# Altium PCB STM32F407ZGT6_MinBoardBTB.PcbDoc
Units mil, origin at the board's own origin, x right, y up, seen from the top; angles counter-clockwise.
Board outline 1930 x 1270 mil, 2 copper layers (Top Layer, Bottom Layer); 26 components, 121 nets, 312 pads, 299 vias.
Unrouted connection lines stored in the file: 1.
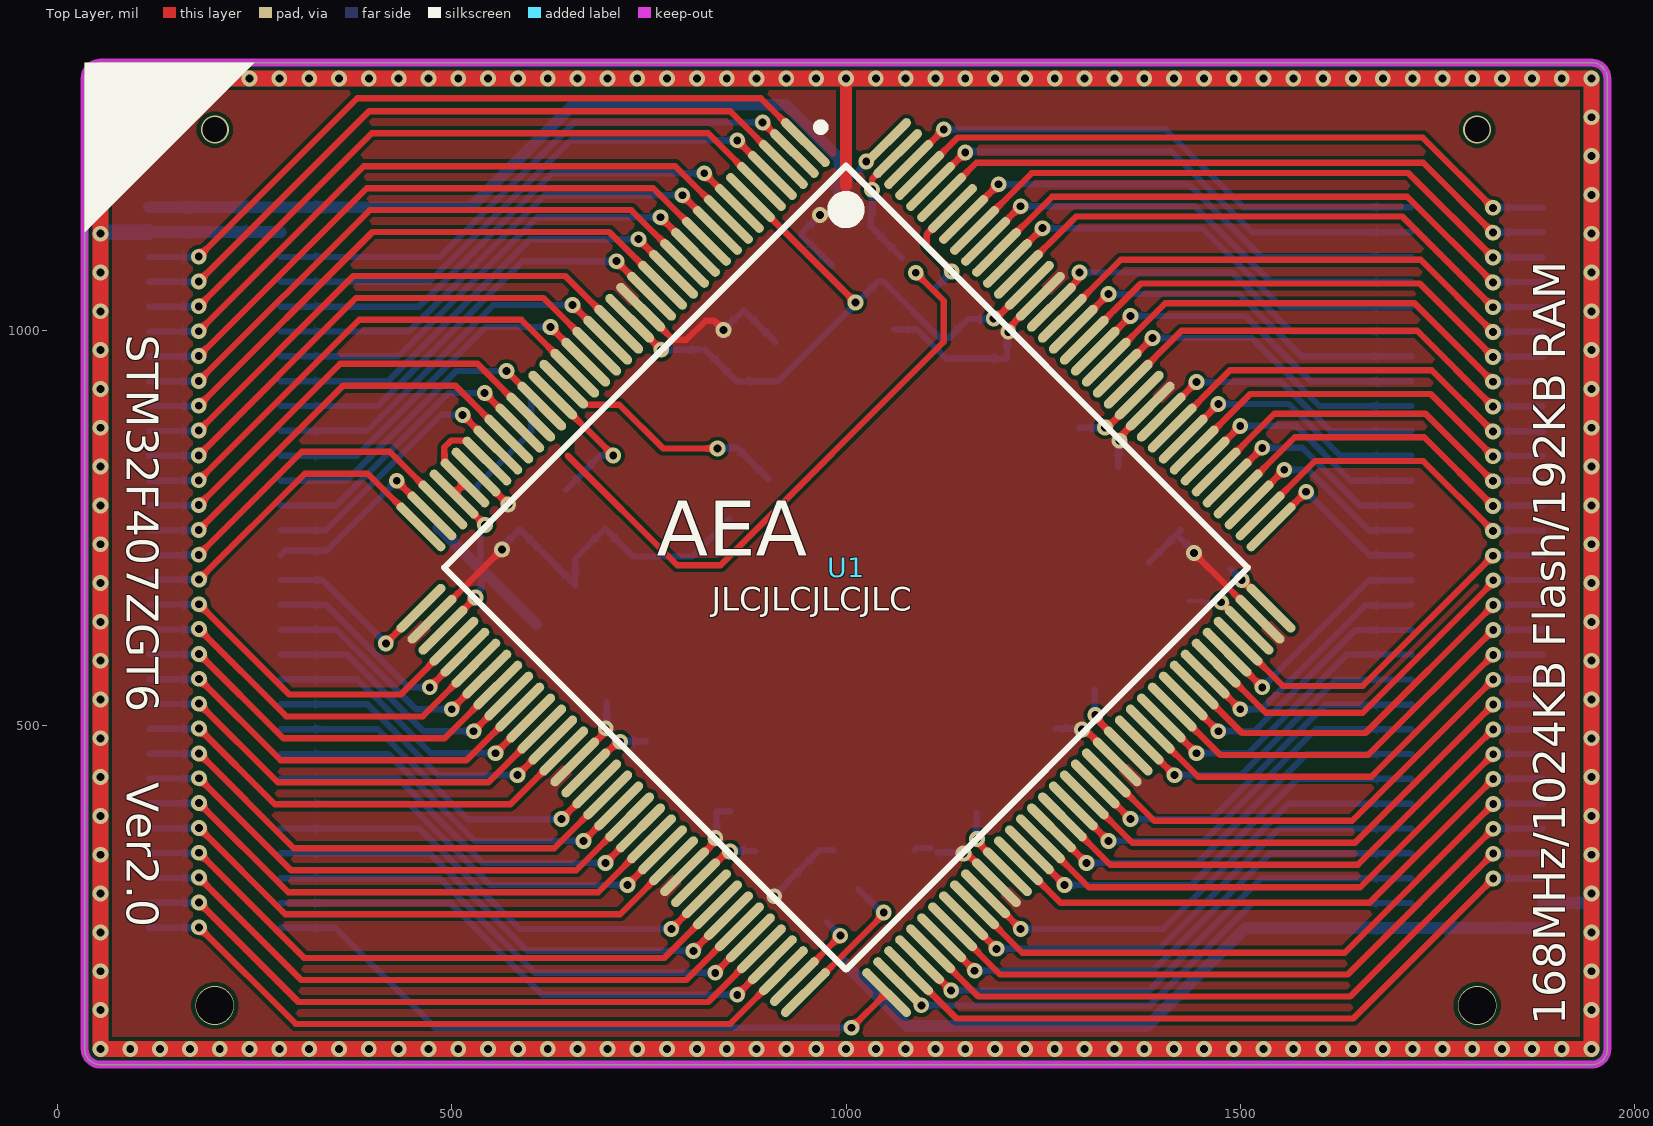
[diagram p0: Top Layer view]
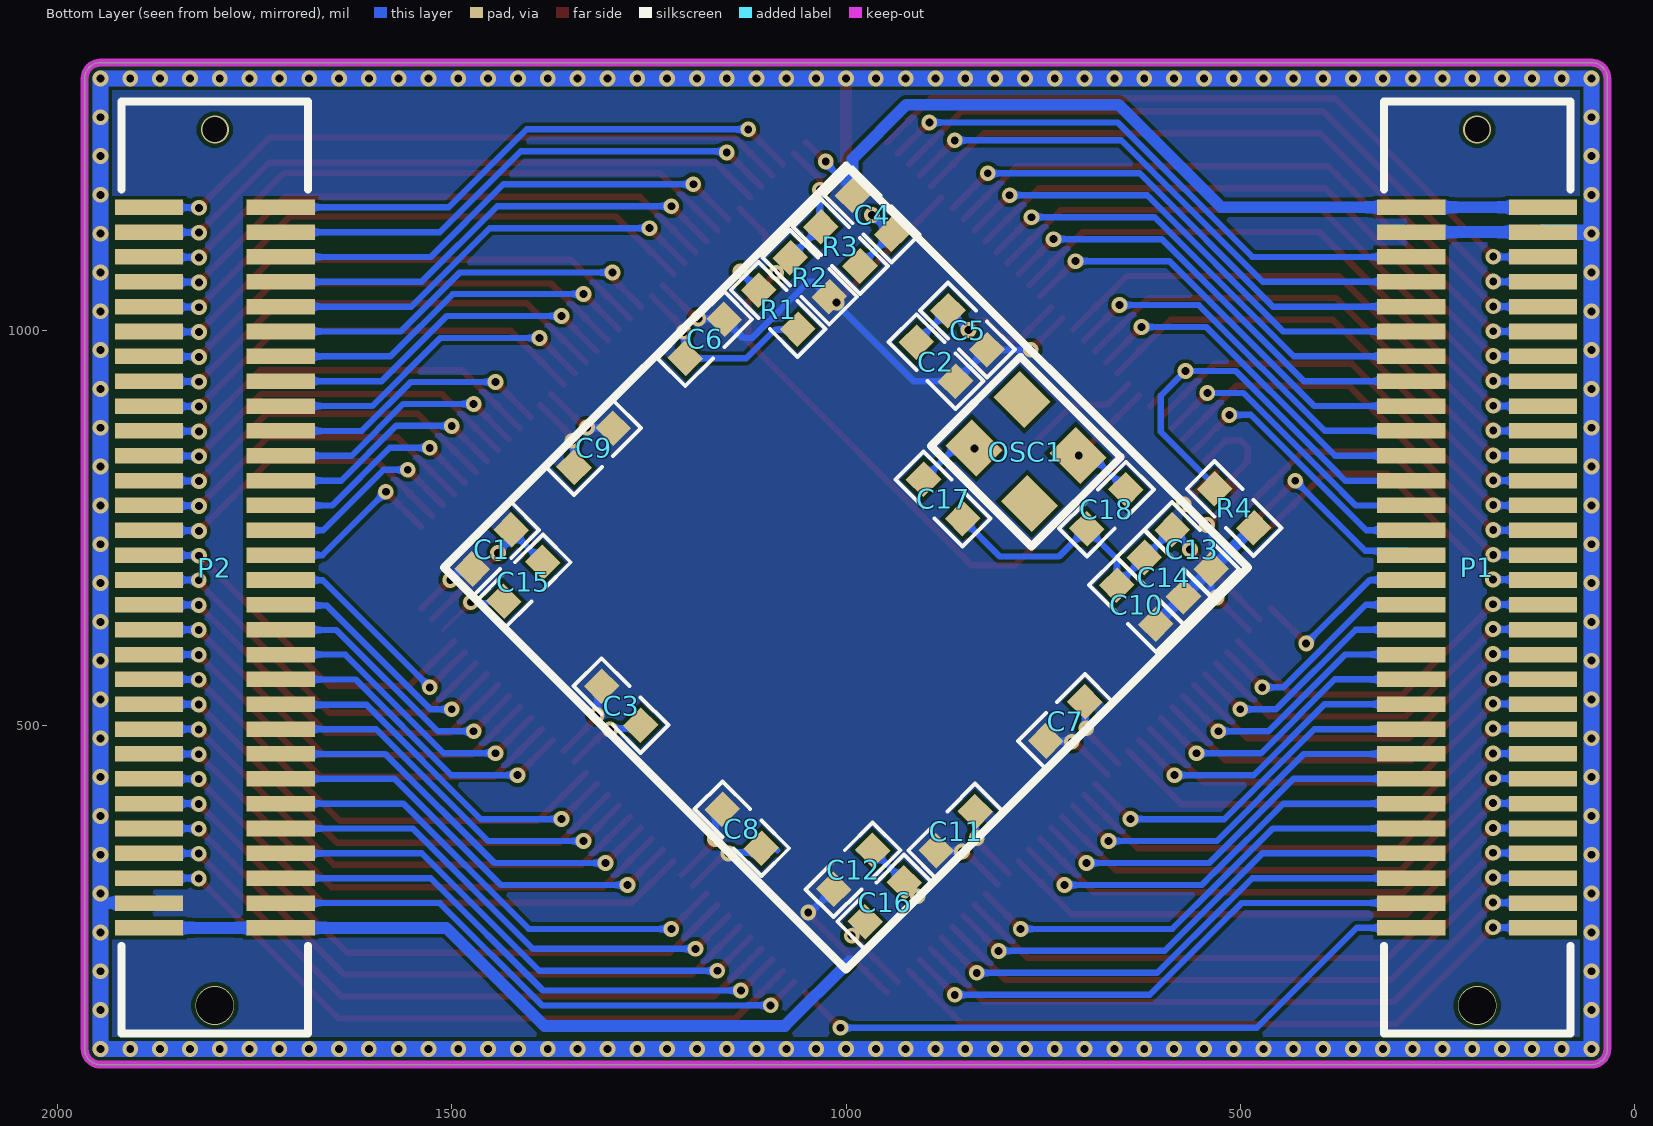
[diagram p1: Bottom Layer view, seen from below]
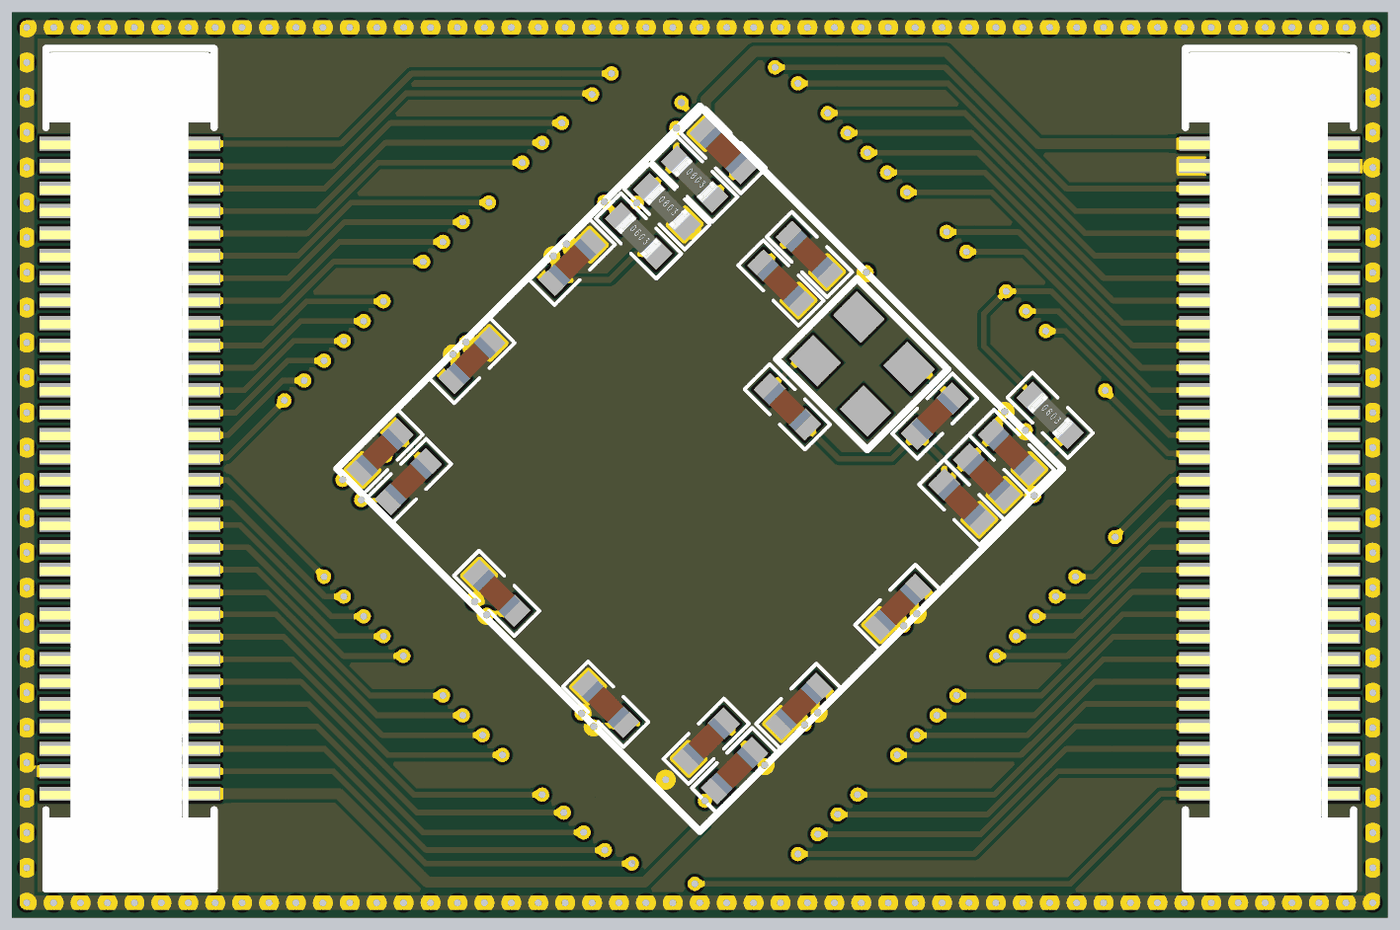
[diagram p2: 3D render of the assembled board from below, using the file's embedded part models]

## Layer stack, top to bottom
Top Solder: solder mask 0.4, Solder Resist, Dk 3.5
Top Layer: signal copper 1.4
Dielectric 1: dielectric 12.6, FR-4, Dk 4.8
Bottom Layer: signal copper 1.4
Bottom Solder: solder mask 0.4, Solder Resist, Dk 3.5

## Board outline
55,70 cw(c55,90) 35,90 35,1320 cw(c55,1320) 55,1340 1945,1340 cw(c1945,1320) 1965,1320 1965,90 cw(c1945,90) 1945,70

## Design rules (kind name [scope] priority, off if disabled: settings)
Clearance [All] p1: gap=5 ignorepadtopadclearanceinfootprint=FALSE
DiffPairsRouting [All] p1: maxlimit=15 minlimit=10 mostfreqgap=10 toplayer_minwidth=5 toplayer_maxwidth=15 toplayer_prefwidth=8 bottomlayer_minwidth=5 bottomlayer_maxwidth=15 bottomlayer_prefwidth=8 maxuncoupledlength=500
PolygonConnect [All] p1: connectstyle=Direct reliefconductorwidth=10 reliefentries=4 polygonreliefangle="90 Angle" airgapwidth=10
RoutingVias [All] p1: holewidth=10 width=20 viastyle="Through Hole" minholewidth=10 minwidth=20 maxholewidth=28 maxwidth=50
SolderMaskExpansion [All] p1: expansion=4 istentingtop=FALSE
Width [All] p1: maxlimit=20 minlimit=5 preferedwidth=10
29 further rules are at their usual default settings.

## Components (designator, comment, footprint, x,y, rotation, side; value= is the part's Value field where it differs from the comment)
C1 "100nF" 0603C 1449,723 r315 bottom
C2 "100nF" 0603C 886,961 r225 bottom
C3 "100nF" 0603C 1285,525 r45 bottom
C4 "100nF" 0603C 967,1147 r45 bottom
C5 "100nF" 0603C 846,1001 r225 bottom
C6 "100nF" 0603C 1179,990 r135 bottom
C7 "100nF" 0603C 722,505 r315 bottom
C8 "100nF" 0603C 1132,369 r45 bottom
C9 "100nF" 0603C 1320,852 r135 bottom
C10 "100nF" 0603C 632,653 r225 bottom
C11 "100nF" 0603C 861,366 r315 bottom
C12 "100nF" 0603C 991,317 r315 bottom
C13 "10uF" 0603C 562,723 r225 bottom
C14 "100nF" 0603C 597,688 r225 bottom
C15 "2.2uF" 0603C 1409,682 r135 bottom
C16 "2.2uF" 0603C 951,276 r135 bottom
C17 "20pF" 0603C 877,787 r45 bottom
C18 "20pF" 0603C 670,774 r135 bottom
OSC1 "晶振" OSC_Passive_4P_3225 772,847 r45 bottom
P1 "BTB30P" BTB_F_30*2*0.8mm 200,700 r270 bottom
P2 "BTB30P" BTB_F_30*2*0.8mm 1800,700 r270 bottom
R1 "10K" 0603R 1086,1027 r225 bottom
R2 "10K" 0603R 1046,1068 r225 bottom
R3 "NC" 0603R 1007,1107 r225 bottom
R4 "10K" 0603R 508,775 r225 bottom
U1 "STM32F407ZET6" STM-LQFP144 1000,700 r315 top locked

## Footprints (in the part's own frame and the unit in brackets; to place one, negate y for a bottom-side part, rotate by r counter-clockwise, add the part's x,y. Pads: shape width x height; smd on the part's side, far side on the other; paste and mask are expansions set on the pad)
0603C [mm] "0603锟斤拷装锟斤拷锟斤拷锟斤拷锟斤拷"
  rect 0.8x0.83 smd: 1(-0.889,0) 2(0.889,0)
  silkscreen extent -1.52,-0.64 1.52,0.64, body extent -0.8,-0.41 0.8,0.41, height 0.81
0603R [mm] "0603锟斤拷装锟斤拷锟斤拷锟斤拷锟矫ｏ拷缺锟斤拷为锟斤拷锟斤拷锟斤拷锟斤拷/锟斤拷锟斤拷"
  rect 0.8x0.83 smd: 1(-0.889,0) 2(0.889,0)
  silkscreen extent -1.52,-0.64 1.52,0.64, body extent -0.8,-0.4 0.8,0.4, height 0.42
BTB_F_30*2*0.8mm [mm]
  rect 0.5x2.2 smd: 1(-11.6,2.12) 2(-10.8,2.12) 3(-10,2.12) 4(-9.2,2.12) 5(-8.4,2.12) 6(-7.6,2.12) 7(-6.8,2.12) 8(-6,2.12) 9(-5.2,2.12) 10(-4.4,2.12) 11(-3.6,2.12) 12(-2.8,2.12) 13(-2,2.12) 14(-1.2,2.12) 15(-0.4,2.12) 16(0.4,2.12) 17(1.2,2.12) 18(2,2.12) 19(2.8,2.12) 20(3.6,2.12) 21(4.4,2.12) 22(5.2,2.12) 23(6,2.12) 24(6.8,2.12) 25(7.6,2.12) 26(8.4,2.12) 27(9.2,2.12) 28(10,2.12) 29(10.8,2.12) 30(11.6,2.12) 31(11.6,-2.12) 32(10.8,-2.12) 33(10,-2.12) 34(9.2,-2.12) 35(8.4,-2.12) 36(7.6,-2.12) 37(6.8,-2.12) 38(6,-2.12) 39(5.2,-2.12) 40(4.4,-2.12) 41(3.6,-2.12) 42(2.8,-2.12) 43(2,-2.12) 44(1.2,-2.12) 45(0.4,-2.12) 46(-0.4,-2.12) 47(-1.2,-2.12) 48(-2,-2.12) 49(-2.8,-2.12) 50(-3.6,-2.12) 51(-4.4,-2.12) 52(-5.2,-2.12) 53(-6,-2.12) 54(-6.8,-2.12) 55(-7.6,-2.12) 56(-8.4,-2.12) 57(-9.2,-2.12) 58(-10,-2.12) 59(-10.8,-2.12) 60(-11.6,-2.12)
  silkscreen extent -15,-3 15,3, body extent -14.86,-3.22 14.94,3.18, height 4.6
OSC_Passive_4P_3225 [mm]
  rect 1.4x1.2 smd: 1(-1.27,-1.1) 2(1.27,1.1) ""(-1.27,1.1) ""(1.27,-1.1)
  silkscreen extent -2.29,-2.03 2.29,2.03, body extent -1.85,-1.4 1.65,1.4, height 0.65
STM-LQFP144 [mm]
  oval 2.1x0.3 smd: 1(-10.6,8.75) 2(-10.6,8.25) 3(-10.6,7.75) 4(-10.6,7.25) 5(-10.6,6.75) 6(-10.6,6.25) 7(-10.6,5.75) 8(-10.6,5.25) 9(-10.6,4.75) 10(-10.6,4.25) 11(-10.6,3.75) 12(-10.6,3.25) 13(-10.6,2.75) 14(-10.6,2.25) 15(-10.6,1.75) 16(-10.6,1.25) 17(-10.6,0.75) 18(-10.6,0.25) 19(-10.6,-0.25) 20(-10.6,-0.75) 21(-10.6,-1.25) 22(-10.6,-1.75) 23(-10.6,-2.25) 24(-10.6,-2.75) 25(-10.6,-3.25) 26(-10.6,-3.75) 27(-10.6,-4.25) 28(-10.6,-4.75) 29(-10.6,-5.25) 30(-10.6,-5.75) 31(-10.6,-6.25) 32(-10.6,-6.75) 33(-10.6,-7.25) 34(-10.6,-7.75) 35(-10.6,-8.25) 36(-10.6,-8.75) 73(10.6,-8.75) 74(10.6,-8.25) 75(10.6,-7.75) 76(10.6,-7.25) 77(10.6,-6.75) 78(10.6,-6.25) 79(10.6,-5.75) 80(10.6,-5.25) 81(10.6,-4.75) 82(10.6,-4.25) 83(10.6,-3.75) 84(10.6,-3.25) 85(10.6,-2.75) 86(10.6,-2.25) 87(10.6,-1.75) 88(10.6,-1.25) 89(10.6,-0.75) 90(10.6,-0.25) 91(10.6,0.25) 92(10.6,0.75) 93(10.6,1.25) 94(10.6,1.75) 95(10.6,2.25) 96(10.6,2.75) 97(10.6,3.25) 98(10.6,3.75) 99(10.6,4.25) 100(10.6,4.75) 101(10.6,5.25) 102(10.6,5.75) 103(10.6,6.25) 104(10.6,6.75) 105(10.6,7.25) 106(10.6,7.75) 107(10.6,8.25) 108(10.6,8.75)
  oval 0.3x2.1 smd: 37(-8.75,-10.6) 38(-8.25,-10.6) 39(-7.75,-10.6) 40(-7.25,-10.6) 41(-6.75,-10.6) 42(-6.25,-10.6) 43(-5.75,-10.6) 44(-5.25,-10.6) 45(-4.75,-10.6) 46(-4.25,-10.6) 47(-3.75,-10.6) 48(-3.25,-10.6) 49(-2.75,-10.6) 50(-2.25,-10.6) 51(-1.75,-10.6) 52(-1.25,-10.6) 53(-0.75,-10.6) 54(-0.25,-10.6) 55(0.25,-10.6) 56(0.75,-10.6) 57(1.25,-10.6) 58(1.75,-10.6) 59(2.25,-10.6) 60(2.75,-10.6) 61(3.25,-10.6) 62(3.75,-10.6) 63(4.25,-10.6) 64(4.75,-10.6) 65(5.25,-10.6) 66(5.75,-10.6) 67(6.25,-10.6) 68(6.75,-10.6) 69(7.25,-10.6) 70(7.75,-10.6) 71(8.25,-10.6) 72(8.75,-10.6) 109(8.75,10.6) 110(8.25,10.6) 111(7.75,10.6) 112(7.25,10.6) 113(6.75,10.6) 114(6.25,10.6) 115(5.75,10.6) 116(5.25,10.6) 117(4.75,10.6) 118(4.25,10.6) 119(3.75,10.6) 120(3.25,10.6) 121(2.75,10.6) 122(2.25,10.6) 123(1.75,10.6) 124(1.25,10.6) 125(0.75,10.6) 126(0.25,10.6) 127(-0.25,10.6) 128(-0.75,10.6) 129(-1.25,10.6) 130(-1.75,10.6) 131(-2.25,10.6) 132(-2.75,10.6) 133(-3.25,10.6) 134(-3.75,10.6) 135(-4.25,10.6) 136(-4.75,10.6) 137(-5.25,10.6) 138(-5.75,10.6) 139(-6.25,10.6) 140(-6.75,10.6) 141(-7.25,10.6) 142(-7.75,10.6) 143(-8.25,10.6) 144(-8.75,10.6)
  silkscreen extent -10.72,-9.15 9.15,9.57, body extent -10,-10 10,10, height 1.6

## Part data
C1 C2 C3 C4 C5 C6 C7 C8 C9 C10 C11 C12 C13 C14 C15 C16 C17 C18: library part 电容_贴片
OSC1: library part 晶振_无源
P1 P2: library part 接插件2*30
R1 R2 R3 R4: library part 电阻_贴片
U1: I/Os (High Current)=114, Manufacturer=STMicroelectronics, Operating Frequency(F) (Processor speed) (MHz)=168, Supplier Part Number 1=497-11903-ND, Supply Voltage(Vcc) max (V)=3.6, Supply Voltage(Vcc) min (V)=1.8, ComponentLink1Description="Manufacturer URL", ComponentLink1URL=http://www.st.com/web/en/home.html, ComponentLink2Description=Datasheet, ComponentLink2URL=http://www.st.com/st-web-ui/static/active/en/resource/technical/document/datasheet/DM00037051.pdf, ComponentLink3Description="Package Specification", ComponentLink3URL=http://www.st.com/st-web-ui/static/active/en/resource/technical/document/datasheet/DM00037051.pdf, Core="ARM Cortex-M4", D/A Converter=2x12-bit, DatasheetVersion="Rev. 4", FLASH Size (Prog) (kB)=512, Internal RAM Size (kB)=192, Mounting Technology="Surface Mount", PackageDescription="144-Pin Low Profile Quad Flat Package, 20 x 20 mm Body, 0.5 mm Pitch", PackageReference=LQFP144, PackageVersion="Rev. 4, 06/2013", Packing=Tray, PartNumber=STM32F407ZET6, Supplier 1=Digi-Key, Supplier 2=Farnell, Supplier 3=Newark, Supplier 4=Newark, Supplier 5=Mouser, Supplier Part Number 2=2215229, Supplier Part Number 3=46W2203, Supplier Part Number 4=87T3795, Supplier Part Number 5=511-STM32F407ZET6

## Via types
v1: diameter 20, hole 10, Top Layer to Bottom Layer, 295 vias
v2: diameter 35.43, hole 31.5, Top Layer to Bottom Layer, 2 vias
v3: diameter 49.21, hole 47.24, Top Layer to Bottom Layer, 2 vias

## Nets (pads, with @x,y where several pads share a name; then routed paths per layer and width w, separated by ;. In a path a pad name is that pad's centre, name@x,y a point inside that pad or via, vN(x,y) a via of type N, cw(c..) or ccw(c..) an arc to the next point about the centre after c; other vN are vias at no path point)
+3V3: C1.2 C2.2 C3.2 C4.2 C5.2 C6.2 C7.2 C8.2 C9.2 C10.2 C11.2 C12.2 C13.2 C14.2 P1.1 P1.60 P2.30 P2.31 R2.2 R4.2 U1.6 U1.17 U1.30 U1.32 U1.33 U1.39 U1.52 U1.62 U1.72 U1.84 U1.95 U1.108 U1.121 U1.131 U1.144 | length 4132
  Top Layer w8: U1.39 v1(530.5,662) ; v1(542.34,754) U1.33 U1.32 517,808.21 490.96,834.25 490.96,852.33 499.69,861.06 512.03,861.06 512.29,860.8 519.05,860.8 U1.30 ; U1.52@668.55,437.27 670.55,439.27 v1@710.57,479.29 ; U1.17 v1(765.76,976) ; U1.62@807.55,298.27 809.55,300.27 v1@849.57,340.29 ; U1.6 v1(1011.99,1036) ; U1.72@948.5,162.29 U1.72 1047.82,260.64 v1(1047.82,263) ; v1(1025.7,1214.6) 1049.78,1238.68 U1.144 ; v1@1165.96,352.82 1204.48,314.3 U1.84@1207.98,310.8 ; v1(1187.19,1015.71) 1190.43,1015.71 U1.131 ; v1@1315.96,509.82 U1.95@1357.98,467.8 ; v1@1331.43,877.71 1371.95,918.23 U1.121@1373.45,919.73 ; v1(1501.56,684.26) 1502.24,684.26 1538,648.5 U1.108
  Bottom Layer w8: v1(530.5,662) 530.5,665.25 537.25,672 537.25,680.8 537.67,681.22 C13.2@537.67,697.83 ; C13.2@536.83,699.83 536.83,715.28 536.25,715.87 536.25,744.67 542.34,750.75 v1(542.34,754) ; v1@714.48,479.96 C7.2@729.59,479.96 ; C7.2@729.72,479.83 C7.2@746.33,479.83 ; v1(765.76,976) 803.55,976 804.22,976.67 C5.2@815.33,976.67 ; C5.2 C2.2 ; v1@853.48,340.96 C11.2@868.59,340.96 ; C2.2@861.67,935.83 878.28,935.83 878.7,936.25 914.25,936.25 R2.2@1012.99,1034.99 ; C11.2@868.72,340.83 C11.2@885.33,340.83 ; C4.2 991.75,1178.75 1025.7,1212.7 v1(1025.7,1214.6) ; C12.2 1045,263 v1(1047.82,263) ; R2.2 1040.69,1062.69 1047.31,1062.69 1119,991 1130.5,991 C6.2 1154.67,1015.17 1171.28,1015.17 1171.41,1015.04 1186.52,1015.04 v1(1187.19,1015.71) ; v1@1165.29,356.73 1165.29,371.84 ; 1165.42,371.97 C8.2@1165.42,388.58 ; C9.2@1295.67,877.17 C9.2@1312.28,877.17 ; C9.2@1312.41,877.04 v1@1327.52,877.04 ; v1@1315.29,513.73 1315.29,528.84 ; 1315.42,528.97 C3.2@1315.42,545.58 ; C1.2@1487.56,698.25 v1(1501.56,684.26)
  Bottom Layer w15: P1.1 P1.60 524.68,1156.7 654.48,1286.5 923.5,1286.5 991.75,1218.25 991.75,1184.25 991.33,1183.83 C4.2@991.33,1172.17 ; R4.2 484.25,750.25 534.67,699.83 C13.2@536.83,699.83 ; C13.2 537.67,697.83 C14.2 C10.2 ; 995.78,200.64 1077.41,119 1382.33,119 1506.63,243.3 P2.30 P2.31
  other v1: 852.81,340.29 1165.96,356.07 713.81,479.29 1315.96,513.07 1328.19,877.71
GND: C1.1 C2.1 C3.1 C4.1 C5.1 C6.1 C7.1 C8.1 C9.1 C10.1 C11.1 C12.1 C13.1 C14.1 C15.2 C16.2 C17.1 C18.1 P1.2 P1.59 P2.32 R1.2 R3.2 U1.16 U1.31 U1.38 U1.51 U1.61 U1.83 U1.94 U1.107 U1.120 U1.130 | length 14849.7
  Top Layer w8: U1.38 475.58,634.58 v1(564,723) ; U1.31 v1(572.02,780) ; U1.51@654.63,451.19 v1@693.11,489.67 ; U1.16 780.97,988.63 797.63,988.63 822,1013 833,1013 v1(844.91,1001.09) ; U1.61@793.63,312.19 v1@832.11,350.67 ; v1@1155.58,335.36 U1.83@1194.06,296.88 ; v1(1205.6,998.77) 1207.89,1001.07 1207.89,1005.33 U1.130 ; v1@1305.58,492.36 U1.94@1344.06,453.88 ; v1@1348.89,867.33 U1.120@1387.37,905.81 ; U1.120@1385.57,903.58 U1.120 ; v1(1441,718.34) 1482.56,676.78 1482.56,676.39 1524.37,634.58 U1.107
  Top Layer w15: 1000,1183.97 v1@1000,1318.65
  Top Layer w20: v1(55,90) v1(92.8,90) v1(130.6,90) v1(168.4,90) v1(206.2,90) v1(244,90) v1(281.8,90) v1(319.6,90) v1(357.4,90) v1(395.2,90) v1(433,90) v1(470.8,90) v1(508.6,90) v1(546.4,90) v1(584.2,90) v1(622,90) v1(659.8,90) v1(697.6,90) v1(735.4,90) v1(773.2,90) v1(811,90) v1(848.8,90) v1(886.6,90) v1(924.4,90) v1(962.2,90) v1(1000,90) v1(1037.8,90) v1(1075.6,90) v1(1113.4,90) v1(1151.2,90) v1(1189,90) v1(1226.8,90) v1(1264.6,90) v1(1302.4,90) v1(1340.2,90) v1(1378,90) v1(1415.8,90) v1(1453.6,90) v1(1491.4,90) v1(1529.2,90) v1(1567,90) v1(1604.8,90) v1(1642.6,90) v1(1680.4,90) v1(1718.2,90) v1(1756,90) v1(1793.8,90) v1(1831.6,90) v1(1869.4,90) v1(1907.2,90) v1(1945,90) v1(1945,139.2) v1(1945,188.4) v1(1945,237.6) v1(1945,286.8) v1(1945,336) v1(1945,385.2) v1(1945,434.4) v1(1945,483.6) v1(1945,532.8) v1(1945,582) v1(1945,631.2) v1(1945,680.4) v1(1945,729.6) v1(1945,778.8) v1(1945,828) v1(1945,877.2) v1(1945,926.4) v1(1945,975.6) v1(1945,1024.8) v1(1945,1074) v1(1945,1123.2) v1(1945,1172.4) v1(1945,1221.6) v1(1945,1270.8) v1(1945,1320) v1(1907.2,1320) v1(1869.4,1320) v1(1831.6,1320) v1(1793.8,1320) v1(1756,1320) v1(1718.2,1320) v1(1680.4,1320) v1(1642.6,1320) v1(1604.8,1320) v1(1567,1320) v1(1529.2,1320) v1(1491.4,1320) v1(1453.6,1320) v1(1415.8,1320) v1(1378,1320) v1(1340.2,1320) v1(1302.4,1320) v1(1264.6,1320) v1(1226.8,1320) v1(1189,1320) v1(1151.2,1320) v1(1113.4,1320) v1(1075.6,1320) v1(1037.8,1320) v1(1000,1320) v1(962.2,1320) v1(924.4,1320) v1(886.6,1320) v1(848.8,1320) v1(811,1320) v1(773.2,1320) v1(735.4,1320) v1(697.6,1320) v1(659.8,1320) v1(622,1320) v1(584.2,1320) v1(546.4,1320) v1(508.6,1320) v1(470.8,1320) v1(433,1320) v1(395.2,1320) v1(357.4,1320) v1(319.6,1320) v1(281.8,1320) v1(244,1320) v1(206.2,1320) v1(168.4,1320) v1(130.6,1320) v1(92.8,1320) v1(55,1320) v1(55,729.6) v1(55,680.4) v1(55,631.2) v1(55,582) v1(55,532.8) v1(55,483.6) v1(55,434.4) v1(55,385.2) v1(55,336) v1(55,286.8) v1(55,237.6) v1(55,188.4) v1(55,139.2) v1(55,90)
  Bottom Layer w8: v1(564,723) 564,725.88 C13.1@585.75,747.63 ; C13.1@585.75,748.75 C13.1 C14.1 C10.1 656.33,678.17 656.33,694.78 656.75,695.2 656.75,711.25 C18.1 730,714 805,714 852.25,761.25 C17.1 ; v1@696.83,497.66 C7.1@696.83,529.33 ; v1@835.83,358.66 C11.1@835.83,390.33 ; C11.1 836.67,391.17 853.28,391.17 C11.1@853.7,390.75 ; v1(844.91,1001.09) 869.57,1025.75 C5.1 C2.1 ; v1(909,283.5) C16.2 926.25,301.75 C12.1 966.67,342.17 983.28,342.17 C12.1@983.7,341.75 ; v1(967,1147) C4.1 R3.2 ; R1.2 1061.67,1001.83 1089.78,1001.83 1126.36,965.25 1186.3,965.25 1186.72,964.83 1203.33,964.83 C6.1 1204.17,965.67 1204.17,997.34 v1(1205.6,998.77) ; 1087.3,341.75 1090.22,344.67 C8.1@1106.83,344.67 ; C8.1@1115.92,339.09 v1@1147.59,339.09 ; C3.1@1265.92,496.09 v1@1297.59,496.09 ; C9.1@1345.17,827.67 v1@1345.17,859.34 ; C15.2 1424.25,746.75 C1.1 ; C1.1@1424.25,736.63 1441,719.88 v1(1441,718.34)
  Bottom Layer w15: P1.2 P1.59 ; P2.32 1944.19,274.81
  Bottom Layer w20: v1(55,1123.2) 56.83,1125.03 116.37,1125.03 P1.2 ; v1(55,90) v1(92.8,90) v1(130.6,90) v1(168.4,90) v1(206.2,90) v1(244,90) v1(281.8,90) v1(319.6,90) v1(357.4,90) v1(395.2,90) v1(433,90) v1(470.8,90) v1(508.6,90) v1(546.4,90) v1(584.2,90) v1(622,90) v1(659.8,90) v1(697.6,90) v1(735.4,90) v1(773.2,90) v1(811,90) v1(848.8,90) v1(886.6,90) v1(924.4,90) v1(962.2,90) v1(1000,90) v1(1037.8,90) v1(1075.6,90) v1(1113.4,90) v1(1151.2,90) v1(1189,90) v1(1226.8,90) v1(1264.6,90) v1(1302.4,90) v1(1340.2,90) v1(1378,90) v1(1415.8,90) v1(1453.6,90) v1(1491.4,90) v1(1529.2,90) v1(1567,90) v1(1604.8,90) v1(1642.6,90) v1(1680.4,90) v1(1718.2,90) v1(1756,90) v1(1793.8,90) v1(1831.6,90) v1(1869.4,90) v1(1907.2,90) v1(1945,90) v1(1945,139.2) v1(1945,188.4) v1(1945,237.6) v1(1945,286.8) v1(1945,336) v1(1945,385.2) v1(1945,434.4) v1(1945,483.6) v1(1945,532.8) v1(1945,582) v1(1945,631.2) v1(1945,680.4) v1(1945,729.6) v1(1945,778.8) v1(1945,828) v1(1945,877.2) v1(1945,926.4) v1(1945,975.6) v1(1945,1024.8) v1(1945,1074) v1(1945,1123.2) v1(1945,1172.4) v1(1945,1221.6) v1(1945,1270.8) v1(1945,1320) v1(1907.2,1320) v1(1869.4,1320) v1(1831.6,1320) v1(1793.8,1320) v1(1756,1320) v1(1718.2,1320) v1(1680.4,1320) v1(1642.6,1320) v1(1604.8,1320) v1(1567,1320) v1(1529.2,1320) v1(1491.4,1320) v1(1453.6,1320) v1(1415.8,1320) v1(1378,1320) v1(1340.2,1320) v1(1302.4,1320) v1(1264.6,1320) v1(1226.8,1320) v1(1189,1320) v1(1151.2,1320) v1(1113.4,1320) v1(1075.6,1320) v1(1037.8,1320) v1(1000,1320) v1(962.2,1320) v1(924.4,1320) v1(886.6,1320) v1(848.8,1320) v1(811,1320) v1(773.2,1320) v1(735.4,1320) v1(697.6,1320) v1(659.8,1320) v1(622,1320) v1(584.2,1320) v1(546.4,1320) v1(508.6,1320) v1(470.8,1320) v1(433,1320) v1(395.2,1320) v1(357.4,1320) v1(319.6,1320) v1(281.8,1320) v1(244,1320) v1(206.2,1320) v1(168.4,1320) v1(130.6,1320) v1(92.8,1320) v1(55,1320) v1(55,729.6) v1(55,680.4) v1(55,631.2) v1(55,582) v1(55,532.8) v1(55,483.6) v1(55,434.4) v1(55,385.2) v1(55,336) v1(55,286.8) v1(55,237.6) v1(55,188.4) v1(55,139.2) v1(55,90)
  other v1: 1149.03,337.65 834.4,357.23 1299.03,494.65 695.4,496.23 55,778.8 55,828 1346.6,860.77 55,877.2 55,926.4 55,975.6 55,1024.8 55,1074 55,1172.4 55,1221.6 55,1270.8
NetC15_1: C15.1 U1.106 | length 92
  Top Layer w5: v1(1475.5,656) U1.106
  Bottom Layer w5: C15.1@1434.17,657.67 1452.9,657.67 1454.57,656 v1(1475.5,656)
NetC16_1: C16.1 U1.71 | length 106.4
  Top Layer w8: U1.71 v1(992.79,233.45)
  Bottom Layer w8: C16.1@975.75,250.5 v1(992.79,233.45)
NetC17_2: C17.2 OSC1.2 U1.23 | length 333.3
  Top Layer w8: U1.23 668.06,906.67 674.81,906.67 675.07,906.41 712.59,906.41 768,851 v1(837.25,851)
  Bottom Layer w8: v1(837.25,851) 862.5,851 C17.2 ; OSC1.2 OSC1.2@861.76,851.73
NetC18_2: C18.2 OSC1.1 U1.24 | length 187
  Top Layer w8: U1.24 v1@704.89,842
  Bottom Layer w8: C18.2 688.77,842.27 OSC1.1
  other v1: 705,842
NetR1_1: R1.1 U1.138 | length 139.6
  Top Layer w8: v1(1134,1075.15) 1134,1076 1102.69,1107.31 1102.69,1114.82 1102.43,1115.07 1102.43,1122.58 U1.138
  Bottom Layer w8: R1.1 1134,1075 v1(1134,1075.15)
NetR2_1: R2.1 R3.1 U1.143 | length 918.2
  Top Layer w8: 647,842 786,703 841,703 1124,986 1124,1038 v1(1088.34,1073.66) ; v1(1033,1179) 1033,1192.34 U1.143 U1.143@1065.42,1223.73
  Bottom Layer w8: v1(1033,1179) 1033,1150.45 1031.33,1148.78 1031.33,1132.17 R3.1 R2.1 R2.1@1070.75,1092.25
NRST: P1.49 R4.1 U1.25 | length 597.6
  Top Layer w8: v1(569.85,949.19) U1.25
  Bottom Layer w8: P1.49 367.02,810.24 385.52,828.74 505.97,949.19 v1(569.85,949.19) 601.05,918 601.05,872.05 532.75,803.75 R4.1
PA0: P1.15 U1.34 | length 454.4
  Top Layer w8: v1(179.62,716.12) 310.39,846.89 421.61,846.89 U1.34
  Bottom Layer w8: P1.15 v1@179.24,715.74
PA1: P1.46 U1.35 | length 249.3
  Top Layer w8: v1(430.66,810) U1.35
  Bottom Layer w8: P1.46 289.08,721.37 342.02,721.37 v1(430.66,810)
PA2: P1.16 U1.36 | length 428.6
  Top Layer w8: v1(180,685) 314.05,819.05 393.77,819.05 U1.36
  Bottom Layer w8: P1.16 116.91,684.62 179.62,684.62 v1(180,685)
PA3: P1.45 U1.37 | length 229.6
  Top Layer w8: v1(416.74,603.92) U1.37
  Bottom Layer w8: P1.45 336.4,684.26 v1(416.74,603.92)
PA4: P1.17 U1.40 | length 461.1
  Top Layer w8: v1(180,653.5) 294.31,539.19 435.53,539.19 U1.40
  Bottom Layer w8: P1.17@116.91,653.13 v1@179.62,653.13
PA5: P1.44 U1.41 | length 295.3
  Top Layer w8: v1(472.42,548.24) U1.41
  Bottom Layer w8: P1.44 341.02,652.76 445.55,548.24 v1(472.42,548.24)
PA6: P1.18 U1.42 | length 487.4
  Top Layer w8: v1(180,622.01) 290.65,511.36 463.37,511.36 U1.42
  Bottom Layer w8: P1.18@116.91,621.63 v1@179.62,621.63
PA7: P1.43 U1.43 | length 321.6
  Top Layer w8: v1(500.26,520.4) U1.43
  Bottom Layer w8: P1.43 354.14,621.27 455,520.4 v1(500.26,520.4)
PA8: P2.18 U1.100 | length 361
  Top Layer w8: U1.100 v1(1471.91,492.56)
  Bottom Layer w8: v1(1471.91,492.56) 1517.56,492.56 1645.91,620.91 1716.19,620.91 P2.18
PA9: P2.44 U1.101 | length 534.1
  Top Layer w8: U1.101 1501.91,490.4 1658.4,490.4 v1(1820.38,652.39)
  Bottom Layer w8: v1@1820.76,652.76 P2.44
PA10: P2.17 U1.102 | length 334.7
  Top Layer w8: U1.102 v1(1499.74,520.4)
  Bottom Layer w8: v1(1499.74,520.4) 1526.61,520.4 1658.13,651.92 1715.7,651.92 P2.17
PA11: P2.45 U1.103 | length 511.1
  Top Layer w8: U1.103 1531.99,516 1655,516 1820.38,681.38 v1(1820.38,683.88)
  Bottom Layer w8: v1@1820.76,684.26 P2.45
PA12: P2.16 U1.104 | length 350.1
  Top Layer w8: 1512.86,564 1484.04,592.82 U1.104 v1(1527.58,548.24)
  Bottom Layer w8: v1(1527.58,548.24) 1663.34,684 1716.29,684 P2.16
PA13: P2.46 U1.105 | length 478.7
  Top Layer w8: U1.105 1553.66,550 1655,550 v1(1820,715)
  Bottom Layer w8: v1(1820,715) 1820.38,715.38 1883.09,715.38 P2.46
PA14: P2.15 U1.109 | length 229.6
  Top Layer w8: U1.109 v1(1583.26,796.08)
  Bottom Layer w8: v1(1583.26,796.08) 1663.6,715.74 P2.15
PA15: P2.47 U1.110 | length 423.4
  Top Layer w8: U1.110 1594.34,835 1731.5,835 v1(1820,746.5)
  Bottom Layer w8: v1@1820.38,746.87 P2.47@1883.09,746.87
PB0: P1.20 U1.46 | length 540.1
  Top Layer w8: v1(180,559.02) 283.34,455.68 519.05,455.68 U1.46
  Bottom Layer w8: P1.20@116.91,558.64 v1@179.62,558.64
PB1: P1.41 U1.47 | length 374.3
  Top Layer w8: v1(555.93,464.73) U1.47
  Bottom Layer w8: P1.41 380.36,558.28 473.91,464.73 v1(555.93,464.73)
PB2: P1.21 U1.48 | length 566.4
  Top Layer w8: v1(180,527.52) 279.68,427.84 546.89,427.84 U1.48
  Bottom Layer w8: P1.21@116.91,527.14 v1@179.62,527.14
PB3: P2.5 U1.133 | length 571.6
  Top Layer w8: U1.133 v1(1249.19,1130.15)
  Bottom Layer w8: v1(1249.19,1130.15) 1451.62,1130.15 1551.07,1030.7 P2.5
PB4: P2.57 U1.134 | length 766.2
  Top Layer w8: U1.134 1261.21,1170 1711.46,1170 v1(1820,1061.46)
  Bottom Layer w8: v1@1820.38,1061.83 P2.57@1883.09,1061.83
PB5: P2.4 U1.135 | length 597.9
  Top Layer w8: U1.135 v1(1221.36,1157.99)
  Bottom Layer w8: v1(1221.36,1157.99) 1442.17,1157.99 1537.96,1062.2 P2.4
PB6: P2.58 U1.136 | length 794.3
  Top Layer w8: U1.136 1235.53,1200 1712.95,1200 v1(1820,1092.95)
  Bottom Layer w8: v1@1820.38,1093.33 P2.58@1883.09,1093.33
PB7: P2.3 U1.137 | length 624.2
  Top Layer w8: U1.137 v1(1193.52,1185.82)
  Bottom Layer w8: v1(1193.52,1185.82) 1434.18,1185.82 1526.31,1093.69 P2.3
PB8: P2.59 U1.139 | length 816.5
  Top Layer w8: U1.139 1165.01,1213 1731.45,1213 v1(1820,1124.45)
  Bottom Layer w8: v1@1820.38,1124.83 P2.59@1883.09,1124.83
PB9: P2.2 U1.140 | length 670.4
  Top Layer w8: U1.140 1107.66,1183 1150.66,1226 v1(1151.14,1226)
  Bottom Layer w8: v1(1151.14,1226) 1152.73,1227.58 1412.42,1227.58 1515,1125 1716.34,1125 P2.2
PB10: P1.32 U1.69 | length 689.9
  Top Layer w8: v1(862.16,158.5) U1.69
  Bottom Layer w8: P1.32 498.36,274.81 510.17,263 510.38,263 614.89,158.5 v1(862.16,158.5)
PB11: P1.30 U1.70 | length 882.1
  Top Layer w8: v1(180,244.06) 302.44,121.61 853.11,121.61 U1.70
  Bottom Layer w8: P1.30@116.91,243.68 v1@179.62,243.68
PB12: P1.31 U1.73 | length 838.9
  Top Layer w8: v1(1006.92,116.74) U1.73
  Bottom Layer w8: P1.31 352.68,243.32 479.26,116.74 v1(1006.92,116.74)
PB13: P2.29 U1.74 | length 717.4
  Top Layer w8: U1.74 v1(1095.45,145.21)
  Bottom Layer w8: v1(1095.45,145.21) 1124.76,145.21 1124.97,145 1385,145 1514.79,274.79 P2.29
PB14: P2.33 U1.75 | length 902.4
  Top Layer w8: U1.75 1140,128.5 1642.95,128.5 v1(1820.38,305.93)
  Bottom Layer w8: v1@1820.76,306.31 P2.33
PB15: P2.28 U1.76 | length 698.4
  Top Layer w8: U1.76 1093.74,203.08 1132.82,164 v1(1133.31,164)
  Bottom Layer w8: v1(1133.31,164) 1384,164 1526.29,306.29 P2.28
PC0: P1.13 U1.26 | length 585.8
  Top Layer w8: v1(179.62,779.11) 358.75,958.24 532.97,958.24 U1.26
  Bottom Layer w8: P1.13 v1@179.24,778.73
PC1: P1.48 U1.27 | length 380.7
  Top Layer w8: v1(542.01,921.36) U1.27
  Bottom Layer w8: P1.48 353.91,778.75 390.9,815.74 496.52,921.36 v1(542.01,921.36)
PC2: P1.14 U1.28 | length 559.5
  Top Layer w8: v1(179.62,747.61) 362.41,930.4 505.13,930.4 U1.28
  Bottom Layer w8: P1.14 v1@179.24,747.24
PC3: P1.47 U1.29 | length 354.3
  Top Layer w8: v1(514.18,893.52) U1.29
  Bottom Layer w8: P1.47 340.8,747.25 487.06,893.52 v1(514.18,893.52)
PC4: P1.19 U1.44 | length 513.8
  Top Layer w8: v1(180,590.51) 287,483.52 491.21,483.52 U1.44
  Bottom Layer w8: P1.19@116.91,590.13 v1@179.62,590.13
PC5: P1.42 U1.45 | length 347.9
  Top Layer w8: v1(528.1,492.56) U1.45
  Bottom Layer w8: P1.42 367.25,589.77 464.46,492.56 v1(528.1,492.56)
PC6: P2.20 U1.96 | length 413.6
  Top Layer w8: U1.96 v1(1416.23,436.89)
  Bottom Layer w8: v1(1416.23,436.89) 1500.27,436.89 1621.64,558.26 P2.20
PC7: P2.42 U1.97 | length 586.7
  Top Layer w8: U1.97 1446.23,434.73 1665.71,434.73 v1(1820.38,589.39)
  Bottom Layer w8: v1@1820.76,589.77 P2.42
PC8: P2.19 U1.98 | length 387.3
  Top Layer w8: U1.98 v1(1444.07,464.73)
  Bottom Layer w8: v1(1444.07,464.73) 1509.73,464.73 1634.76,589.76 P2.19
PC9: P2.43 U1.99 | length 560.4
  Top Layer w8: U1.99 1474.07,462.56 1662.05,462.56 v1(1820.38,620.89)
  Bottom Layer w8: v1@1820.76,621.27 P2.43
PC10: P2.14 U1.111 | length 255.9
  Top Layer w8: U1.111 v1(1555.42,823.92)
  Bottom Layer w8: v1(1555.42,823.92) 1586.08,823.92 1662.77,747.24 P2.14
PC11: P2.48 U1.112 | length 451.5
  Top Layer w8: U1.112 1568.66,865 1732.99,865 v1(1820,777.99)
  Bottom Layer w8: v1@1820.38,778.37 P2.48@1883.09,778.37
PC12: P2.13 U1.113 | length 282.2
  Top Layer w8: U1.113 v1(1527.58,851.76)
  Bottom Layer w8: v1(1527.58,851.76) 1578.24,851.76 1651.27,778.73 P2.13
PC13: P1.56 U1.7 | length 670
  Top Layer w8: v1(820.4,1199.74) U1.7
  Bottom Layer w8: P1.56 458.8,1030.72 627.83,1199.74 v1(820.4,1199.74)
PC14: P1.6 U1.8 | length 848.8
  Top Layer w8: v1(179.62,999.58) 388.83,1208.79 783.52,1208.79 U1.8
  Bottom Layer w8: P1.6 v1@179.24,999.2
PC15: P1.55 U1.9 | length 643.7
  Top Layer w8: v1(792.56,1171.9) U1.9
  Bottom Layer w8: P1.55 445.69,999.22 618.37,1171.9 v1(792.56,1171.9)
PD0: P2.49 U1.114 | length 479.7
  Top Layer w8: U1.114 1542.99,895 1734.49,895 v1(1820,809.49)
  Bottom Layer w8: v1@1820.38,809.87 P2.49@1883.09,809.87
PD1: P2.12 U1.115 | length 308.6
  Top Layer w8: U1.115 v1(1499.74,879.6)
  Bottom Layer w8: v1(1499.74,879.6) 1570.4,879.6 1639.77,810.23 P2.12
PD2: P2.50 U1.116 | length 503.6
  Top Layer w8: U1.116 1512.31,920 1740.98,920 v1(1820,840.98)
  Bottom Layer w8: v1@1820.38,841.36 P2.50@1883.09,841.36
PD3: P2.11 U1.117 | length 334.9
  Top Layer w8: U1.117 v1(1471.91,907.44)
  Bottom Layer w8: v1(1471.91,907.44) 1560.95,907.44 1626.66,841.72 P2.11
PD4: P2.51 U1.118 | length 531.7
  Top Layer w8: U1.118 1486.63,950 1742.48,950 v1(1820,872.48)
  Bottom Layer w8: v1@1820.38,872.86 P2.51@1883.09,872.86
PD5: P2.10 U1.119 | length 361.2
  Top Layer w8: U1.119 v1(1444.07,935.27)
  Bottom Layer w8: v1(1444.07,935.27) 1551.49,935.27 1613.55,873.22 P2.10
PD6: P2.52 U1.122 | length 592.7
  Top Layer w8: U1.122 1425.27,1000 1723.98,1000 v1(1820,903.98)
  Bottom Layer w8: v1@1820.38,904.35 P2.52@1883.09,904.35
PD7: P2.9 U1.123 | length 426.9
  Top Layer w8: U1.123 v1(1388.39,990.95)
  Bottom Layer w8: v1(1388.39,990.95) 1514.2,990.95 1600.44,904.72 P2.9
PD8: P2.34 U1.77 | length 876
  Top Layer w8: U1.77 1167.84,156.34 1639.29,156.34 v1(1820.38,337.43)
  Bottom Layer w8: v1@1820.76,337.8 P2.34
PD9: P2.27 U1.78 | length 674.5
  Top Layer w8: U1.78 v1(1163.07,188.94)
  Bottom Layer w8: v1(1163.07,188.94) 1388.94,188.94 1537.79,337.79 P2.27
PD10: P2.35 U1.79 | length 849.7
  Top Layer w8: U1.79 1195.68,184.18 1635.63,184.18 v1(1820.38,368.92)
  Bottom Layer w8: v1@1820.76,369.3 P2.35
PD11: P2.26 U1.80 | length 648.1
  Top Layer w8: U1.80 v1(1190.91,216.78)
  Bottom Layer w8: v1(1190.91,216.78) 1396.78,216.78 1549.28,369.28 P2.26
PD12: P2.36 U1.81 | length 823.4
  Top Layer w8: U1.81 1223.52,212.01 1631.98,212.01 v1(1820.38,400.42)
  Bottom Layer w8: v1@1820.76,400.8 P2.36
PD13: P2.25 U1.82 | length 624
  Top Layer w8: U1.82 v1(1221.36,242.01)
  Bottom Layer w8: v1(1221.36,242.01) 1402.01,242.01 1560.78,400.78 P2.25
PD14: P2.37 U1.85 | length 751.7
  Top Layer w8: U1.85 1271.89,275 1663.46,275 v1(1820.38,431.91)
  Bottom Layer w8: v1@1820.76,432.29 P2.37
PD15: P2.24 U1.86 | length 558.3
  Top Layer w8: U1.86 v1(1277.03,297.69)
  Bottom Layer w8: v1(1277.03,297.69) 1437.69,297.69 1572.27,432.27 P2.24
PE0: P2.60 U1.141 | length 846.3
  Top Layer w8: U1.141 1141.34,1245 1730.94,1245 v1(1820,1155.94)
  Bottom Layer w8: v1@1820.38,1156.32 P2.60@1883.09,1156.32
PE1: P2.1 U1.142 | length 696.6
  Top Layer w8: U1.142 v1(1123.92,1255.42)
  Bottom Layer w8: v1(1123.92,1255.42) 1404.58,1255.42 1503.32,1156.68 P2.1
PE2: P1.3 U1.1 | length 938.1
  Top Layer w8: v1(179.62,1094.07) 380.55,1295 892.18,1295 U1.1
  Bottom Layer w8: P1.3 v1@179.24,1093.69
PE3: P1.58 U1.2 | length 737.9
  Top Layer w8: v1(894.37,1264) 894.86,1264 934.09,1224.76 U1.2
  Bottom Layer w8: P1.58 485.03,1093.71 655.32,1264 v1(894.37,1264)
PE4: P1.4 U1.3 | length 921.1
  Top Layer w8: v1(179.62,1062.57) 395.44,1278.39 853.11,1278.39 U1.3
  Bottom Layer w8: P1.4 v1@179.24,1062.2
PE5: P1.57 U1.4 | length 716
  Top Layer w8: v1(862.16,1241.5) U1.4
  Bottom Layer w8: P1.57 471.91,1062.21 651.2,1241.5 v1(862.16,1241.5)
PE6: P1.5 U1.5 | length 894.8
  Top Layer w8: v1(179.62,1031.08) 399.09,1250.55 825.27,1250.55 U1.5
  Bottom Layer w8: P1.5 v1@179.24,1030.7
PE7: P1.25 U1.58 | length 711.1
  Top Layer w8: v1(180,401.54) 292.89,288.64 686.08,288.64 U1.58
  Bottom Layer w8: P1.25@116.91,401.16 v1@179.62,401.16
PE8: P1.36 U1.59 | length 545.2
  Top Layer w8: v1(722.97,297.69) U1.59
  Bottom Layer w8: P1.36 445.92,400.8 534.18,312.53 534.39,312.53 549.23,297.69 v1(722.97,297.69)
PE9: P1.26 U1.60 | length 737.4
  Top Layer w8: v1(180,370.04) 289.23,260.81 713.92,260.81 U1.60
  Bottom Layer w8: P1.26@116.91,369.66 v1@179.62,369.66
PE10: P1.35 U1.63 | length 610.9
  Top Layer w8: v1(778.64,242.01) U1.63
  Bottom Layer w8: P1.35 459.03,369.3 528.8,299.53 529.01,299.53 586.52,242.01 v1(778.64,242.01)
PE11: P1.27 U1.64 | length 803.1
  Top Layer w8: v1(180,338.54) 313.42,205.13 769.6,205.13 U1.64
  Bottom Layer w8: P1.27@116.91,338.17 v1@179.62,338.17
PE12: P1.34 U1.65 | length 637.3
  Top Layer w8: v1(806.48,214.18) U1.65
  Bottom Layer w8: P1.34 472.14,337.8 520.94,289 521.15,289 595.98,214.18 v1(806.48,214.18)
PE13: P1.28 U1.66 | length 829.4
  Top Layer w8: v1(180,307.05) 309.76,177.29 797.44,177.29 U1.66
  Bottom Layer w8: P1.28@116.91,306.67 v1@179.62,306.67
PE14: P1.33 U1.67 | length 663.6
  Top Layer w8: v1(834.32,186.34) U1.67
  Bottom Layer w8: P1.33 485.25,306.31 515.56,276 515.77,276 605.43,186.34 v1(834.32,186.34)
PE15: P1.29 U1.68 | length 855.7
  Top Layer w8: v1(180,275.55) 306.1,149.45 825.27,149.45 U1.68
  Bottom Layer w8: P1.29@116.91,275.17 v1@179.62,275.17
PF0: P1.7 U1.10 | length 822.5
  Top Layer w8: v1(179.62,968.09) 392.49,1180.95 755.68,1180.95 U1.10
  Bottom Layer w8: P1.7 v1@179.24,967.71
PF1: P1.54 U1.11 | length 617.3
  Top Layer w8: v1(764.73,1144.07) U1.11
  Bottom Layer w8: P1.54 432.58,967.73 608.92,1144.07 v1(764.73,1144.07)
PF2: P1.8 U1.12 | length 796.1
  Top Layer w8: v1(179.62,936.59) 396.15,1153.11 727.84,1153.11 U1.12
  Bottom Layer w8: P1.8 v1@179.24,936.21
PF3: P1.53 U1.13 | length 591
  Top Layer w8: v1(736.89,1116.23) U1.13
  Bottom Layer w8: P1.53 419.47,936.23 599.47,1116.23 v1(736.89,1116.23)
PF4: P1.9 U1.14 | length 769.8
  Top Layer w8: v1(179.62,905.09) 399.8,1125.27 700,1125.27 U1.14
  Bottom Layer w8: P1.9 v1@179.24,904.72
PF5: P1.52 U1.15 | length 564.7
  Top Layer w8: v1(709.05,1088.39) U1.15
  Bottom Layer w8: P1.52 406.36,904.73 590.01,1088.39 v1(709.05,1088.39)
PF6: P1.10 U1.18 | length 704.1
  Top Layer w8: v1(179.62,873.6) 375.62,1069.6 644.32,1069.6 U1.18
  Bottom Layer w8: P1.10 v1@179.24,873.22
PF7: P1.51 U1.19 | length 499
  Top Layer w8: v1(653.37,1032.71) U1.19
  Bottom Layer w8: P1.51 393.25,873.24 552.72,1032.71 v1(653.37,1032.71)
PF8: P1.11 U1.20 | length 677.8
  Top Layer w8: v1(179.62,842.1) 379.28,1041.76 616.48,1041.76 U1.20
  Bottom Layer w8: P1.11 v1@179.24,841.72
PF9: P1.50 U1.21 | length 472.7
  Top Layer w8: v1(625.53,1004.87) U1.21
  Bottom Layer w8: P1.50 380.13,841.74 543.27,1004.87 v1(625.53,1004.87)
PF10: P1.12 U1.22 | length 651.5
  Top Layer w8: v1(179.62,810.61) 382.94,1013.92 588.64,1013.92 U1.22
  Bottom Layer w8: P1.12 v1@179.24,810.23
PF11: P1.40 U1.49 | length 400.6
  Top Layer w8: v1(583.77,436.89) U1.49
  Bottom Layer w8: P1.40 393.47,526.78 483.36,436.89 v1(583.77,436.89)
PF12: P1.22 U1.50 | length 592.7
  Top Layer w8: v1(180,496.02) 276.02,400 574.73,400 U1.50
  Bottom Layer w8: P1.22@116.91,495.65 v1@179.62,495.65
PF13: P1.39 U1.53 | length 466.3
  Top Layer w8: v1(639.45,381.21) U1.53
  Bottom Layer w8: P1.39 406.58,495.28 520.66,381.21 v1(639.45,381.21)
PF14: P1.23 U1.54 | length 658.4
  Top Layer w8: v1(180,464.53) 300.21,344.32 630.4,344.32 U1.54
  Bottom Layer w8: P1.23@116.91,464.15 v1@179.62,464.15
PF15: P1.38 U1.55 | length 492.6
  Top Layer w8: v1(667.29,353.37) U1.55
  Bottom Layer w8: P1.38 419.69,463.79 530.11,353.37 v1(667.29,353.37)
PG0: P1.24 U1.56 | length 684.8
  Top Layer w8: v1(180,433.03) 296.55,316.48 658.24,316.48 U1.56
  Bottom Layer w8: P1.24@116.91,432.65 v1@179.62,432.65
PG1: P1.37 U1.57 | length 518.9
  Top Layer w8: v1(695.13,325.53) U1.57
  Bottom Layer w8: P1.37 432.8,432.29 539.57,325.53 v1(695.13,325.53)
PG2: P2.38 U1.87 | length 731.8
  Top Layer w8: U1.87 1307.56,295 1651.97,295 v1(1820.38,463.41)
  Bottom Layer w8: v1@1820.76,463.79 P2.38
PG3: P2.23 U1.88 | length 532
  Top Layer w8: U1.88 v1(1304.87,325.53)
  Bottom Layer w8: v1(1304.87,325.53) 1445.53,325.53 1583.77,463.77 P2.23
PG4: P2.39 U1.89 | length 705.1
  Top Layer w8: U1.89 1334.87,323.37 1648.84,323.37 v1(1820.38,494.91)
  Bottom Layer w8: v1@1820.76,495.28 P2.39
PG5: P2.22 U1.90 | length 505.6
  Top Layer w8: U1.90 v1(1332.71,353.37)
  Bottom Layer w8: v1(1332.71,353.37) 1453.52,353.37 1595.42,495.27 P2.22
PG6: P2.40 U1.91 | length 678.7
  Top Layer w8: U1.91 1362.71,351.21 1645.19,351.21 1764.89,470.91 v1(1820.38,526.4)
  Bottom Layer w8: v1@1820.76,526.78 P2.40
PG7: P2.21 U1.92 | length 479.3
  Top Layer w8: U1.92 v1(1360.55,381.21)
  Bottom Layer w8: v1(1360.55,381.21) 1462.98,381.21 1607.78,526.01 1715.78,526.01 P2.21
PG8: P2.41 U1.93 | length 652.4
  Top Layer w8: U1.93 1390.55,379.05 1641.53,379.05 v1(1820.38,557.9)
  Bottom Layer w8: v1@1820.76,558.28 P2.41
PG9: P2.53 U1.124 | length 625
  Top Layer w8: U1.124 1404.6,1035 1720.47,1035 v1(1820,935.47)
  Bottom Layer w8: v1@1820.38,935.85 P2.53@1883.09,935.85
PG10: P2.8 U1.125 | length 453.2
  Top Layer w8: U1.125 v1(1360.55,1018.79)
  Bottom Layer w8: v1(1360.55,1018.79) 1506.21,1018.79 1588.79,936.21 P2.8
PG11: P2.54 U1.126 | length 649
  Top Layer w8: U1.126 1373.92,1060 1726.97,1060 v1(1820,966.97)
  Bottom Layer w8: v1@1820.38,967.35 P2.54@1883.09,967.35
PG12: P2.7 U1.127 | length 479.6
  Top Layer w8: U1.127 v1(1332.71,1046.63)
  Bottom Layer w8: v1(1332.71,1046.63) 1498.37,1046.63 1577.29,967.71 P2.7
PG13: P2.55 U1.128 | length 677.1
  Top Layer w8: U1.128 1348.24,1090 1728.46,1090 v1(1820,998.46)
  Bottom Layer w8: v1@1820.38,998.84 P2.55@1883.09,998.84
PG14: P2.6 U1.129 | length 510.4
  Top Layer w8: U1.129 1260.29,1030.92 1293.73,1064.36 1293.73,1071.71 v1(1296.03,1074.01)
  Bottom Layer w8: v1(1296.03,1074.01) 1489.38,1074.01 1564.18,999.2 P2.6
PG15: P2.56 U1.132 | length 742.2
  Top Layer w8: U1.132 1291.89,1145 1704.96,1145 v1(1820,1029.96)
  Bottom Layer w8: v1@1820.38,1030.34 P2.56@1883.09,1030.34
pads on no net: OSC1.
copper on no net:
  other v2: 200.01,1255.13 1800.01,1255.13
  other v3: 200.01,144.89 1800.01,144.89

## Polygon pours and split planes (outlines as drawn)
GND on Bottom Layer "Top Layer-No Net" (solid, pour order 7): 55,1320 1945,1320 1945,90 55,90
+3V3 on Bottom Layer "Top Layer-No Net" (solid, remove dead copper, pour order 3): 994.7,1204.15 490.55,700 1000,190.55 1508.4,698.95
GND on Top Layer "Top Layer-No Net" (solid, pour order 6): 55,1320 55,90 1945,90 1945,1320
GND on Top Layer "Top Layer-No Net" (solid, remove dead copper, pour order 4): 994.7,1204.15 490.55,700 1000,190.55 1508.4,698.95

## Keep-outs
Keep-Out Layer:
  the board outline again, w10

## Silkscreen, mask and mechanical layers (free items; w line width, h text height)
Top Overlay:
  region: 35,1340 250,1340 35,1125
  text "STM32F407ZGT6     Ver2.0" at 75,995 h70 r270
  text "AEA" at 760,692.06 h120
  text "JLCJLCJLCJLC" at 830,645 h30
  text "168MHz/1024KB Flash/192KB RAM" at 1925,120 h70 r90
Bottom Overlay:
  lines w10: 490.55,700 1000,190.55 1509.45,700 1000,1209.45 490.55,700
Top Solder:
  lines w20: 55,90 1945,90 1945,1320 55,1320 55,90